# Altium PCB Face_InBack1V0.PcbDoc
Units mm, origin at the board's own origin, x right, y up, seen from the top; angles counter-clockwise.
Board outline 97 x 34.5 mm, 2 copper layers (Top Layer, Bottom Layer), stack 1.4 mm thick; 6 components, 7 nets, 43 pads, 102 vias.
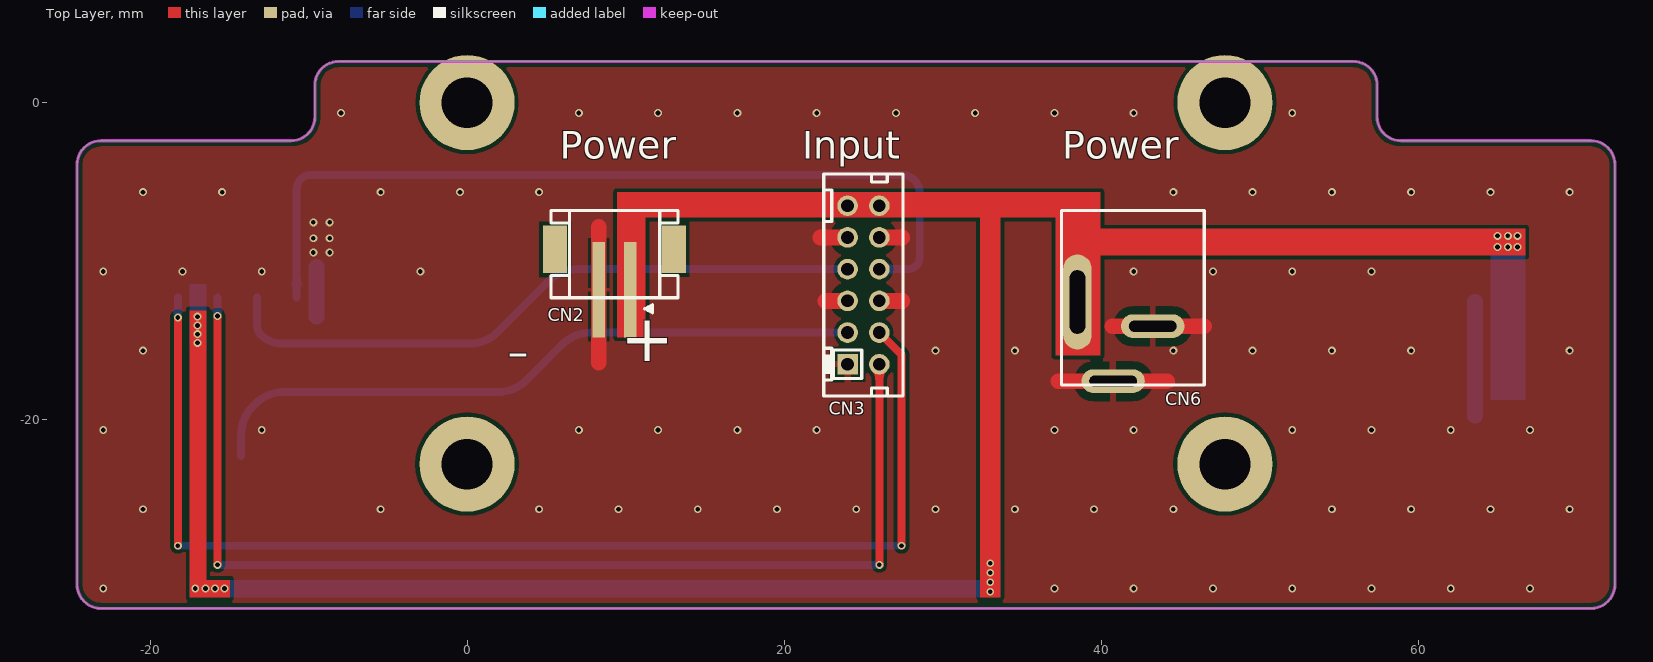
[diagram p0: Top Layer view]
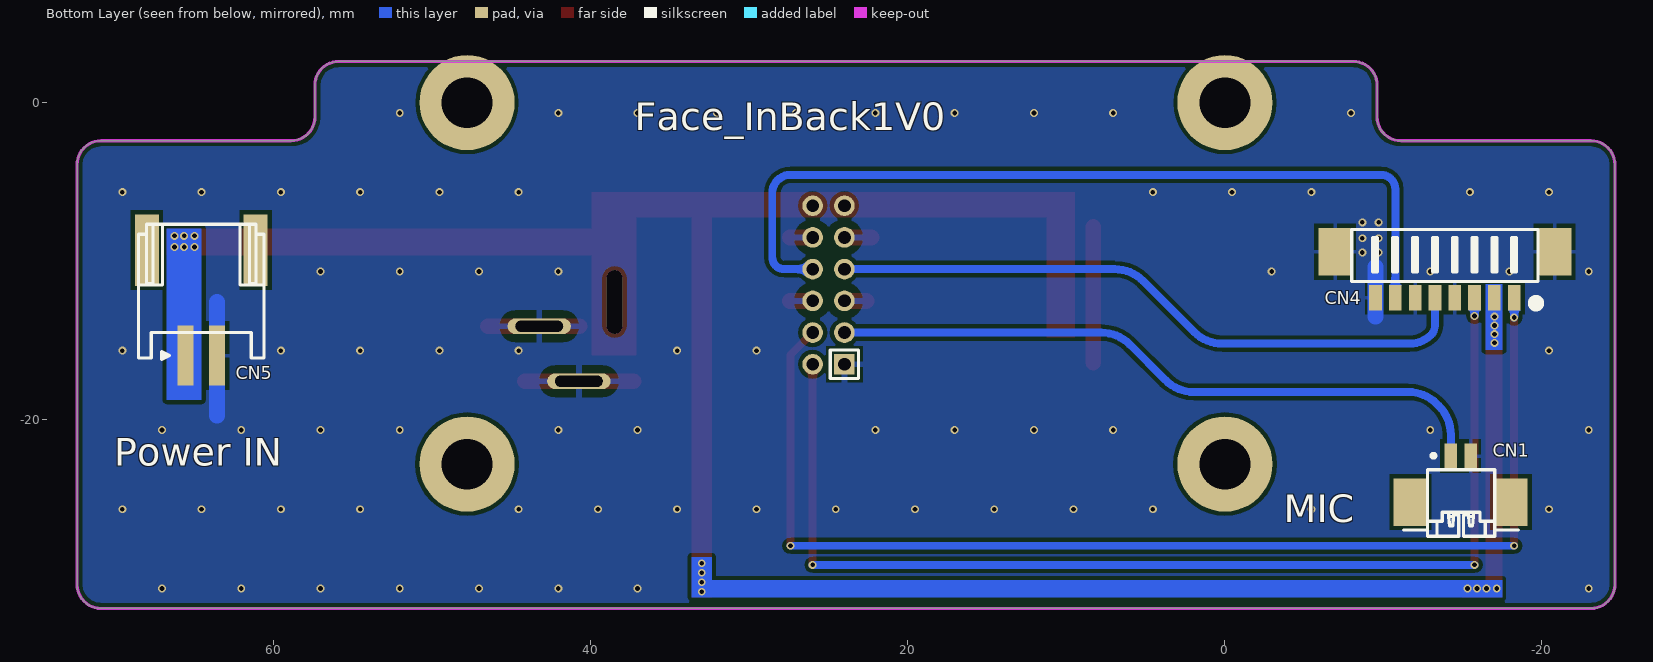
[diagram p1: Bottom Layer view, seen from below]
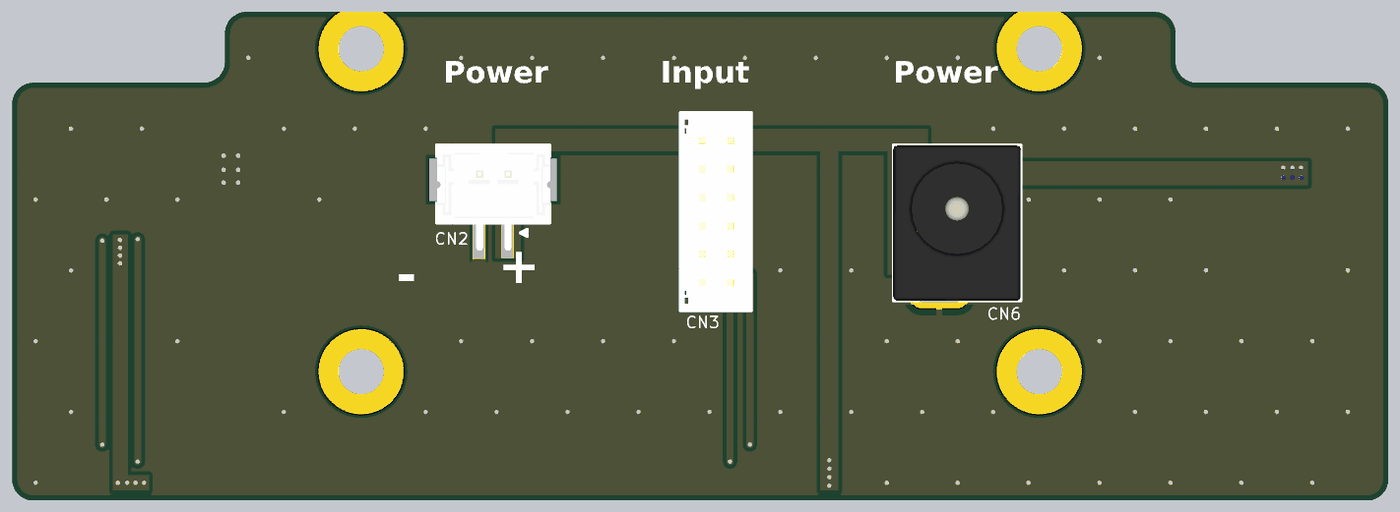
[diagram p2: 3D render of the assembled board from above, using the file's embedded part models]
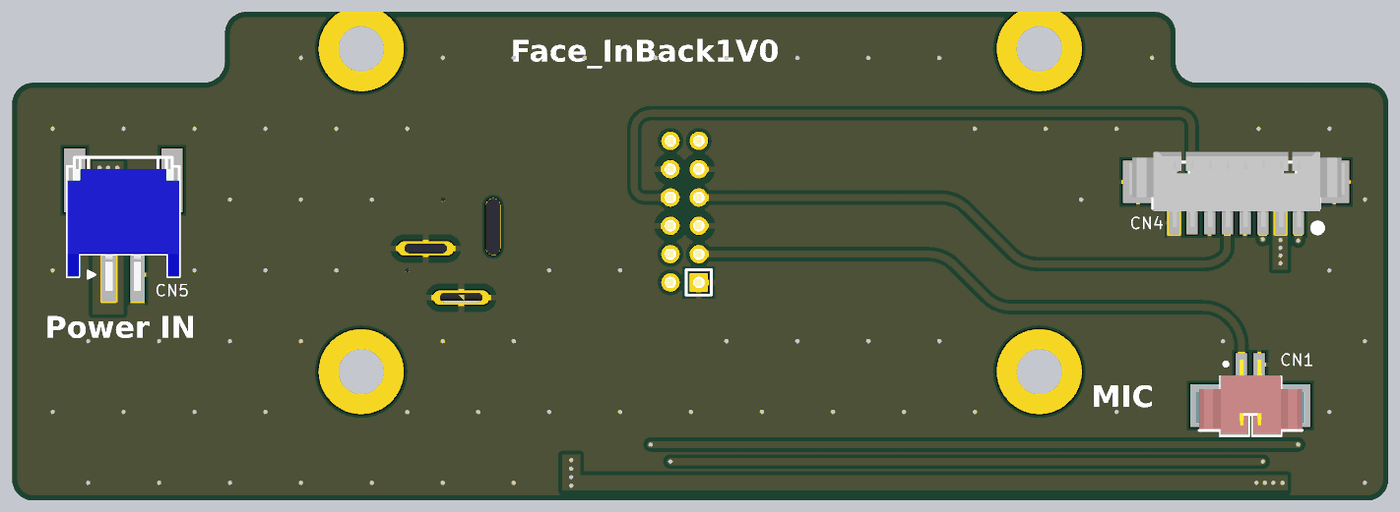
[diagram p3: 3D render of the assembled board from below, using the file's embedded part models]

## Layer stack, top to bottom
Top Solder: solder mask 0.1, Solder Resist, Dk 3.5
Top Layer: signal copper 0.2
Dielectric 1: dielectric 1, FR-4, Dk 4.8
Bottom Layer: signal copper 0.2
Bottom Solder: solder mask 0.1, Solder Resist, Dk 3.5

## Board outline
-23.1,-31.9 cw(c-23.1,-30.4) -24.6,-30.4 -24.6,-3.9 cw(c-23.1,-3.9) -23.1,-2.4 -11.1,-2.4 ccw(c-11.1,-0.9) -9.6,-0.9 -9.6,1.1 cw(c-8.1,1.1) -8.1,2.6 55.9,2.6 cw(c55.9,1.1) 57.4,1.1 57.4,-0.9 ccw(c58.9,-0.9) 58.9,-2.4 70.9,-2.4 cw(c70.9,-3.9) 72.4,-3.9 72.4,-30.4 cw(c70.9,-30.4) 70.9,-31.9

## Design rules (kind name [scope] priority, off if disabled: settings)
Clearance [All] p1: gap=0.254 ignorepadtopadclearanceinfootprint=FALSE
HoleSize [All] p1: absolutevalues=TRUE maxlimit=5 minlimit=0.025 maxpercent=80.000 minpercent=20.000
HoleToHoleClearance [All] p1: gap=0 allowstackedmicrovias=TRUE
MinimumSolderMaskSliver [All] p1: minsoldermaskwidth=0.001
PolygonConnect PolygonConnect_GND [(OnLayer('Top Layer') OR OnLayer('BOTTOM Layer') ) AND InNet('GND')] p1: thpad.connectstyle=Relief thpad.reliefconductorwidth=0.4 thpad.reliefentries=4 thpad.polygonreliefangle="90 Angle" thpad.airgapwidth=0.5 smdpad.connectstyle=Relief smdpad.reliefconductorwidth=0.254 smdpad.reliefentries=4 smdpad.polygonreliefangle="90 Angle" smdpad.airgapwidth=0.254 via.connectstyle=Direct via.reliefconductorwidth=0.254 via.reliefentries=4 via.polygonreliefangle="90 Angle" via.airgapwidth=0.254
PolygonConnect PolygonConnect_VIA [ISVIA] p2: connectstyle=Direct reliefconductorwidth=0.254 reliefentries=4 polygonreliefangle="90 Angle" airgapwidth=0.254
PolygonConnect [All] p3: connectstyle=Direct reliefconductorwidth=0.254 reliefentries=4 polygonreliefangle="90 Angle" airgapwidth=0.254
RoomDefinition Face_InBack1V0 [InComponentClass('Face_InBack1V0')] p1: confinementstyle=ConfineIn formatcopy=TRUE lockcomponents=FALSE outline -32,-36 79.8,-36 79.8,5.9 -32,5.9
RoutingVias [All] p1: holewidth=0.711 width=1.27 viastyle="Through Hole" minholewidth=0.3 minwidth=0.5 maxholewidth=1 maxwidth=2
SilkToSilkClearance [All] p1: silktosilkclearance=0
SilkToSolderMaskClearance [IsPad] p1: minsilkscreentomaskgap=0 clearancetoexposedcopper=TRUE
SolderMaskExpansion [All] p1: expansion=0.102 istentingtop=FALSE
Width [All] p1: maxlimit=3 minlimit=0.15 preferedwidth=0.254
25 further rules are at their usual default settings.

## Components (designator, comment, footprint, x,y, rotation, side; value= is the part's Value field where it differs from the comment)
CN1 "NC/SH1.25-2P-SMD-Side" SH1.25_2P_SMD_SIDE -14.25,-22.3 r180 bottom locked
CN2 "PHB2.0_2P_SMD_TOP" PH2.0_2P_SMD_TOP 10.3,-11.8 r180 top locked
CN3 "PHD2.0-2*6P-S" PHD2.0-2*6P-S 24,-16.5 r90 top locked
CN4 "SH1.25 8P SMD SIDE" SH1.25_8P_SMD_SIDE -18.25,-12.3 r0 bottom locked
CN5 "PHB2.0 2P SMD SIDE" PH2.0_2P_SMD_SIDE 64.571,-13 r90 bottom locked
CN6 "PowerJack-5.5X1.1" POWER_CONNECT5.5X2.1 42,-11.3 r0 top locked

## Footprints (in the part's own frame and the unit in brackets; to place one, negate y for a bottom-side part, rotate by r counter-clockwise, add the part's x,y. Pads: shape width x height; smd on the part's side, far side on the other; paste and mask are expansions set on the pad)
PH2.0_2P_SMD_SIDE [mm] "WAFER 2.0mm SIDE ENTRY SMT"
  rect 3.8x1 smd: 1(-2.95,1) 2(-2.95,-1)
  rect 4.5x1.5 smd: 3(3.7,-3.429) 4(3.7,3.429)
  silkscreen extent -3.2,-3.95 5.33,3.95, body extent -4.1,-3.95 4.5,3.95, height 5.5
PH2.0_2P_SMD_TOP [mm] "WAFER 2.0mm TOP ENTRY SMT"
  rect 0.8x6 smd mask+0.05: 1(0,0) 2(2,0)
  rect 1.5x3 smd mask+0.05: ""(-2.75,-2.55) ""(4.75,-2.55)
  round 1.2 on Mech4: ""(0,-2.45) ""(2,-2.45)
  silkscreen extent -3,-5 5,1.45, body extent -3.05,-4.95 4.95,2.45, height 6.5
PHD2.0-2*6P-S [mm]
  rect 1.3x1.3 hole 0.8 mask+0.05: 1(0,0)
  round 1.3 hole 0.8 mask+0.05: 2(0,-2) 3(2,0) 4(2,-2) 5(4,0) 6(4,-2) 7(6,0) 8(6,-2) 9(8,0) 10(8,-2) 11(10,0) 12(10,-2)
  silkscreen extent -2,-3.5 12,1.53, body extent -2,-3.55 12,1.45, height 6.5
POWER_CONNECT5.5X2.1 [mm]
  oval 4x1.5 / inner round 0 / far side oval 4x1 hole 0.7 slot 3 at 0 deg: 1(-1.25,-6.27) 2(1.25,-2.8)
  oval 1.8x6 / inner round 0 / far side oval 1x4 hole 1 slot 4 at 90 deg: 3(-3.5,-1.27)
  silkscreen extent -4.5,-6.5 4.5,4.5, body extent -4.5,-6.5 4.5,4.5, height 13.4
SH1.25_2P_SMD_SIDE [mm] "WTB 1.25MM WAFER 90 DEGREE SMT"
  rect 0.8x1.6 smd: 1(0,0) 2(1.25,0)
  rect 2.1x3 smd: M1(-2.55,-2.9) M2(3.8,-2.9)
  silkscreen extent -2.97,-5.05 4.28,0.15, body extent -3.17,-4.95 4.48,0.35, height 3.4
SH1.25_8P_SMD_SIDE [mm] "WAFER 1.25mm TOP ENTRY SMT"
  rect 0.8x1.6 smd: 1(0,0) 2(1.25,0) 3(2.5,0) 4(3.75,0) 5(5,0) 6(6.25,0) 7(7.5,0) 8(8.75,0)
  rect 2.1x3 smd: M1(-2.55,-2.9) M2(11.3,-2.9)
  silkscreen extent -1.5,-4.3 10.25,0.47, body extent -3.26,-5.02 11.89,0.28, height 3.5

## Part data
CN1: library part Header2, "SH1.25-2P-SMD-Side", name1=PH2.0-2P-DIP-180, Parameter 1=SH1.25-2P-SMD-Side, Parameter 2=PH2.0-2P-SMD-Side, 名称=弯针插座, 物料编号=ECZ02035, 规格，型号="PH 2Pin 间距2.0mm DIP/90°"
CN2: library part Header2, "XH2.54-2P-SMD-Top, 带扣"
CN3: library part "PHD 2*6P"
CN4: library part "Header 8", "FPC8_0.5", LatestRevisionDate=17-Jul-2002, LatestRevisionNote="Re-released for DXP Platform.", Publisher="Altium Limited"
CN5: library part "Header 2", "PHB2.0 2P 90", LatestRevisionDate=17-Jul-2002, LatestRevisionNote="Re-released for DXP Platform.", Publisher="Altium Limited"
CN6: "IC"

## Free pads (board coordinates)
  round 6 hole 3.2: 1(0,-22.8) 1(0,0) 1(47.8,-22.8) 1(47.8,0)

## Via types
v1: diameter 0.5, hole 0.3, Top Layer to Bottom Layer, tented both sides, 102 vias

## Nets (pads, with @x,y where several pads share a name; then routed paths per layer and width w, separated by ;. In a path a pad name is that pad's centre, name@x,y a point inside that pad or via, vN(x,y) a via of type N, cw(c..) or ccw(c..) an arc to the next point about the centre after c; other vN are vias at no path point)
BACK_MICP: CN1.1 CN3.3 | length 42.5
  Bottom Layer w0.5: CN1.1 -14.25,-20.931 cw(c-11.71,-20.931) -13.506,-19.135 -13.365,-18.994 cw(c-11.569,-20.79) -11.569,-18.25 1.948,-18.25 ccw(c1.948,-15.71) 3.744,-17.506 6.006,-15.244 cw(c7.802,-17.04) 7.802,-14.5 CN3.3
CVBS_OUT: CN3.8 CN4.7 | length 54.3
  Bottom Layer w0.5: CN4.7 -10.75,-5.45 cw(c-9.85,-5.45) -9.85,-4.55 27.4,-4.55 cw(c27.4,-5.7) 28.55,-5.7 28.55,-9.75 cw(c27.8,-9.75) 27.8,-10.5 CN3.8
GND: CN1.2 CN2.2 CN3.1 CN3.5 CN3.6 CN3.9 CN3.10 CN4.4 CN4.6 CN4.8 CN4.M1 CN4.M2 CN5.2 CN6.1 CN6.2 | length 37.5
  Top Layer w1: 8.3,-16.396 CN2.2 8.3,-7.85 ; 22.3,-8.5 CN3.9 ; 22.6,-12.5 CN3.5 ; CN3.6 27.45,-12.5 ; CN3.10 27.45,-8.5 ; 37.3,-17.57 CN6.1 44.15,-17.57 ; 40.704,-14.1 CN6.2 46.5,-14.1
  Bottom Layer w1: -9.5,-13.5 CN4.8 -9.5,-10.371 ; 63.571,-19.75 CN5.2 63.571,-12.57
  other v1: -22.952,-30.645 37.048,-30.645 42.048,-30.645 47.048,-30.645 52.048,-30.645 57.048,-30.645 62.048,-30.645 67.048,-30.645 -20.452,-25.645 -5.452,-25.645 4.548,-25.645 9.548,-25.645 14.548,-25.645 19.548,-25.645 24.548,-25.645 29.548,-25.645 34.548,-25.645 39.548,-25.645 44.548,-25.645 54.548,-25.645 59.548,-25.645 64.548,-25.645 69.548,-25.645 -22.952,-20.645 -12.952,-20.645 7.048,-20.645 12.048,-20.645 17.048,-20.645 22.048,-20.645 37.048,-20.645 42.048,-20.645 52.048,-20.645 57.048,-20.645 62.048,-20.645 67.048,-20.645 -20.452,-15.645 29.548,-15.645 34.548,-15.645 44.548,-15.645 49.548,-15.645 54.548,-15.645 59.548,-15.645 69.548,-15.645 -22.952,-10.645 -17.952,-10.645 -12.952,-10.645 -2.952,-10.645 42.048,-10.645 47.048,-10.645 52.048,-10.645 57.048,-10.645 -9.7,-9.45 -8.672,-9.45 -9.7,-8.55 -8.672,-8.55 -9.7,-7.55 -8.672,-7.55 -20.452,-5.645 -15.452,-5.645 -5.452,-5.645 -0.452,-5.645 4.548,-5.645 44.548,-5.645 49.548,-5.645 54.548,-5.645 59.548,-5.645 64.548,-5.645 69.548,-5.645 -7.952,-0.645 7.048,-0.645 12.048,-0.645 17.048,-0.645 22.048,-0.645 27.048,-0.645 32.048,-0.645 37.048,-0.645 42.048,-0.645 52.048,-0.645
MAIN_MICP: CN3.7 CN4.5 | length 41.3
  Bottom Layer w0.5: CN4.5 -13.25,-14.046 ccw(c-12.396,-14.046) -13,-14.65 ccw(c-11.672,-13.322) -11.672,-15.2 0.148,-15.2 ccw(c0.148,-12.66) 1.944,-14.456 5.156,-11.244 cw(c6.952,-13.04) 6.952,-10.5 CN3.7
RXD: CN3.4 CN4.1 | length 75.3
  Top Layer w0.5: v1(-18.25,-27.95) v1(-18.25,-13.55) ; CN3.4 27.4,-15.9 v1(27.4,-27.95)
  Bottom Layer w0.5: v1(-18.25,-27.95) v1(27.4,-27.95) ; v1(-18.25,-13.55) CN4.1
TXD: CN3.2 CN4.3 | length 71.2
  Top Layer w0.5: v1(-15.75,-29.15) v1(-15.75,-13.45) ; v1(26,-29.15) CN3.2
  Bottom Layer w0.5: v1(-15.75,-29.15) v1(26,-29.15) ; v1(-15.75,-13.45) CN4.3
VBAT: CN2.1 CN3.11 CN3.12 CN4.2 CN5.1 CN6.3
  other v1: 33,-30.85 -17.15,-30.65 -16.5,-30.65 -15.9,-30.65 -15.3,-30.65 33,-30.25 33,-29.65 33,-29.05 -17,-15.15 -17,-14.6 -17,-14.05 -17,-13.5 65,-9.1 65.65,-9.1 66.25,-9.1 65,-8.4 65.65,-8.4 66.25,-8.4
pads on no net: CN1.M1 CN1.M2 CN2. CN5.3 CN5.4

## Polygon pours and split planes (outlines as drawn)
GND on Top Layer "Top Layer-GND" (solid, remove dead copper, pour order 8): -24.6,2.6 -24.6,-31.9 72.4,-31.9 72.4,2.6
GND on Bottom Layer "Bottom Layer-GND" (solid, remove dead copper, pour order 10): -24.6,-31.9 -24.6,2.6 72.4,2.6 72.4,-31.9

## Keep-outs
Keep-Out Layer:
  lines w0.2: 57.4,-0.9 ccw(c58.9,-0.9) 58.9,-2.4 70.9,-2.4 cw(c70.9,-3.9) 72.4,-3.9 72.4,-30.4 cw(c70.9,-30.4) 70.9,-31.9 -23.1,-31.9 cw(c-23.1,-30.4) -24.6,-30.4 -24.6,-3.9 cw(c-23.1,-3.9) -23.1,-2.4 -11.1,-2.4 ccw(c-11.1,-0.9) -9.6,-0.9 -9.6,1.1 cw(c-8.1,1.1) -8.1,2.6 55.9,2.6 cw(c55.9,1.1) 57.4,1.1 57.4,-0.9 ; 57.4,-0.9 57.4,-0.9

## Other copper
Top Layer:
  rectangle net VBAT: 32.35,-31.2 33.65,-5.7
  rectangle net VBAT: 39.05,-9.65 66.75,-7.95
  rectangle net VBAT: 37.1,-15.95 39.95,-5.75
  rectangle net VBAT: 9.45,-7.25 39.95,-5.65
  rectangle net VBAT: 9.45,-14.8 11.25,-5.65
  rectangle net VBAT: -17.5,-31.2 -14.95,-30.1
  rectangle net VBAT: -17.5,-30.95 -16.45,-13.1
Bottom Layer:
  rectangle net VBAT: 64.548,-18.75 66.75,-7.95
  rectangle net VBAT: 32.35,-31.05 33.65,-28.65
  rectangle net VBAT: -17.5,-31.2 33.65,-30.1
  rectangle net VBAT: -17.5,-15.6 -16.45,-11.45

## Silkscreen, mask and mechanical layers (free items; w line width, h text height)
Top Overlay:
  text "Power" at 5.85,-4.15 h3
  text "Input" at 21.15,-4.15 h3
  text "Power" at 37.55,-4.15 h3
  text "+" at 9.7,-17.3 h5
  text "-" at 2.5,-17.911 h5
Bottom Overlay:
  text "Face_InBack1V0" at 37.213,-2.35 h3
  text "Power IN" at 70.05,-23.5 h3
  text "MIC" at -3.7,-27.05 h3
Mechanical 1:
  lines w0.2: 57.4,-0.9 ccw(c58.9,-0.9) 58.9,-2.4 70.9,-2.4 cw(c70.9,-3.9) 72.4,-3.9 72.4,-30.4 cw(c70.9,-30.4) 70.9,-31.9 -23.1,-31.9 cw(c-23.1,-30.4) -24.6,-30.4 -24.6,-3.9 cw(c-23.1,-3.9) -23.1,-2.4 -11.1,-2.4 ccw(c-11.1,-0.9) -9.6,-0.9 -9.6,1.1 cw(c-8.1,1.1) -8.1,2.6 55.9,2.6 cw(c55.9,1.1) 57.4,1.1 57.4,-0.9 ; 57.4,-0.9 57.4,-0.9
Mechanical 4:
  lines w0.2: -24.6,-30.4 ccw(c-23.1,-30.4) -23.1,-31.9 70.9,-31.9 ccw(c70.9,-30.4) 72.4,-30.4 72.4,-3.9 ccw(c70.9,-3.9) 70.9,-2.4 58.9,-2.4 cw(c58.9,-0.9) 57.4,-0.9 57.4,1.1 ccw(c55.9,1.1) 55.9,2.6 -8.1,2.6 ccw(c-8.1,1.1) -9.6,1.1 -9.6,-0.9 cw(c-11.1,-0.9) -11.1,-2.4 -23.1,-2.4 ccw(c-23.1,-3.9) -24.6,-3.9 -24.6,-30.4 ; -1.5,-22.8 ccw(c0,-22.8) 1.5,-22.8 ccw(c0,-22.8) -1.5,-22.8 ; -1.5,0 ccw(c0,0) 1.5,0 ccw(c0,0) -1.5,0 ; 46.3,-22.8 ccw(c47.8,-22.8) 49.3,-22.8 ccw(c47.8,-22.8) 46.3,-22.8 ; 46.3,0 ccw(c47.8,0) 49.3,0 ccw(c47.8,0) 46.3,0